# Altium PCB IOBoard2020.PcbDoc (part 1 of 2)
Units mil, origin at the board's own origin, x right, y up, seen from the top; angles counter-clockwise.
Board outline 3010.03 x 3010.03 mil, 4 copper layers (Top Layer, Int1 (PWR), Int2 (GND), Bottom Layer), stack 53.912 mil thick; 153 components, 123 nets, 584 pads, 58 vias.
Unrouted connection lines stored in the file: 328.
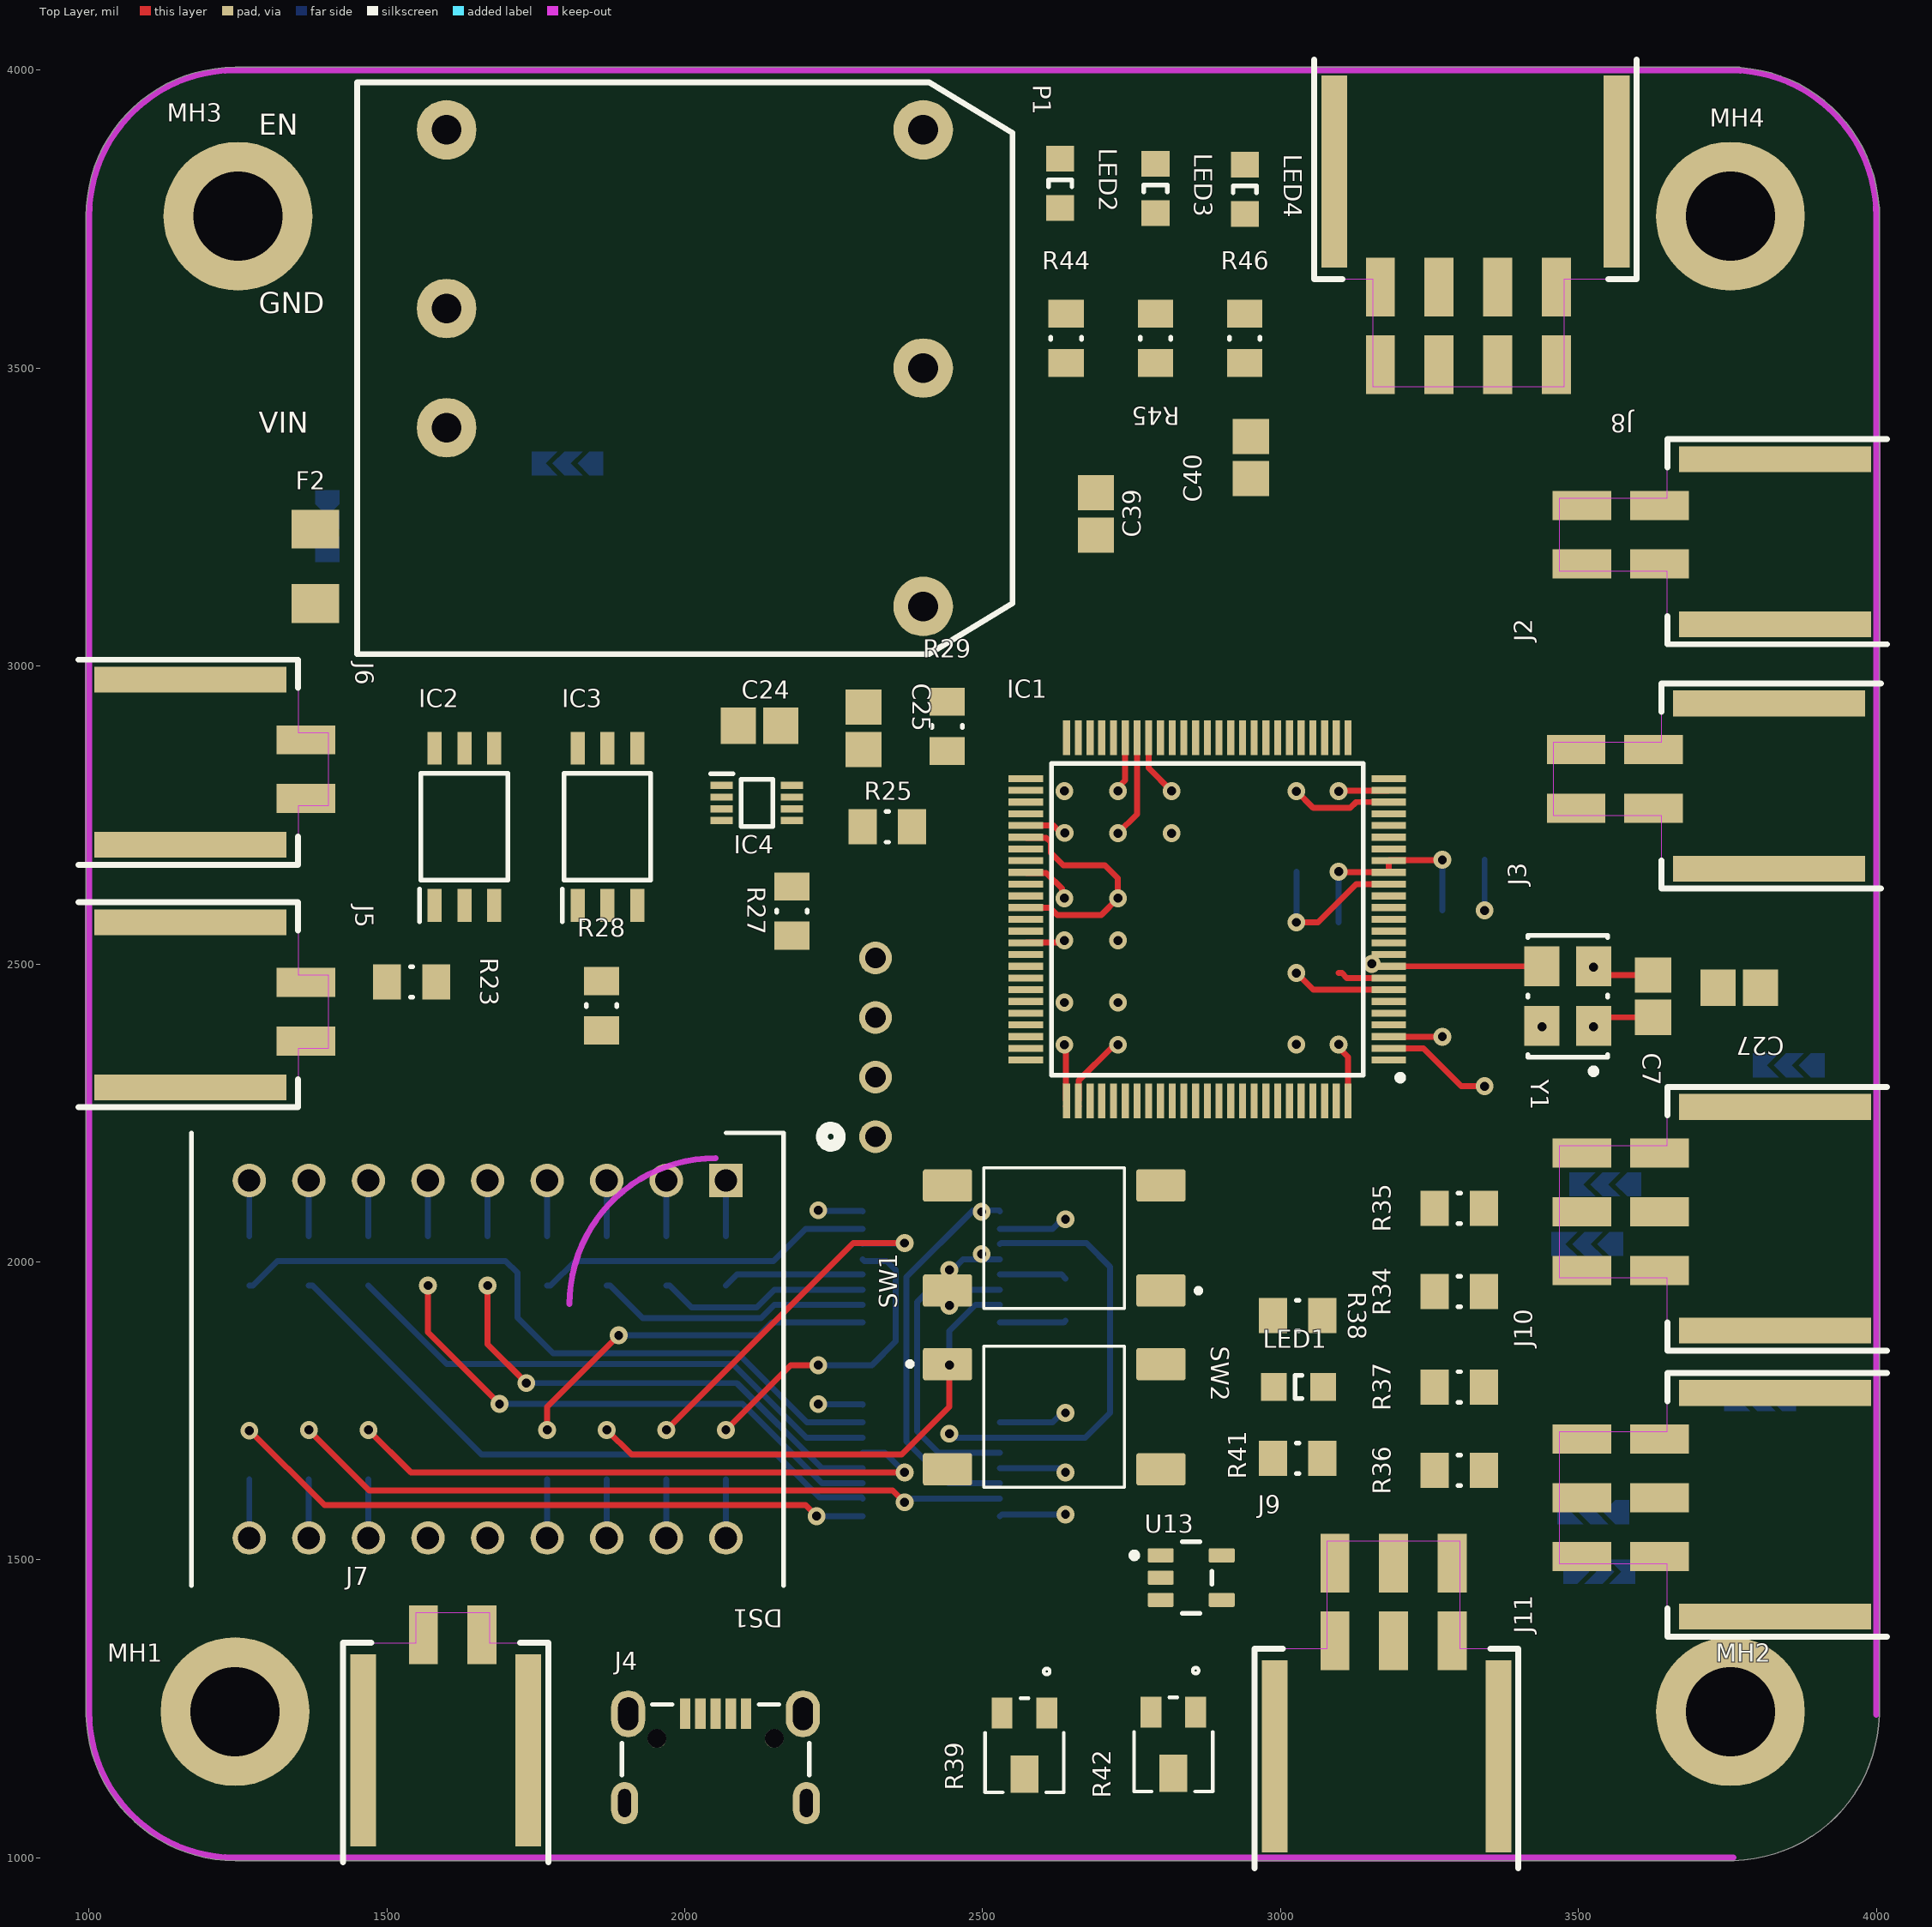
[diagram p0: Top Layer view]
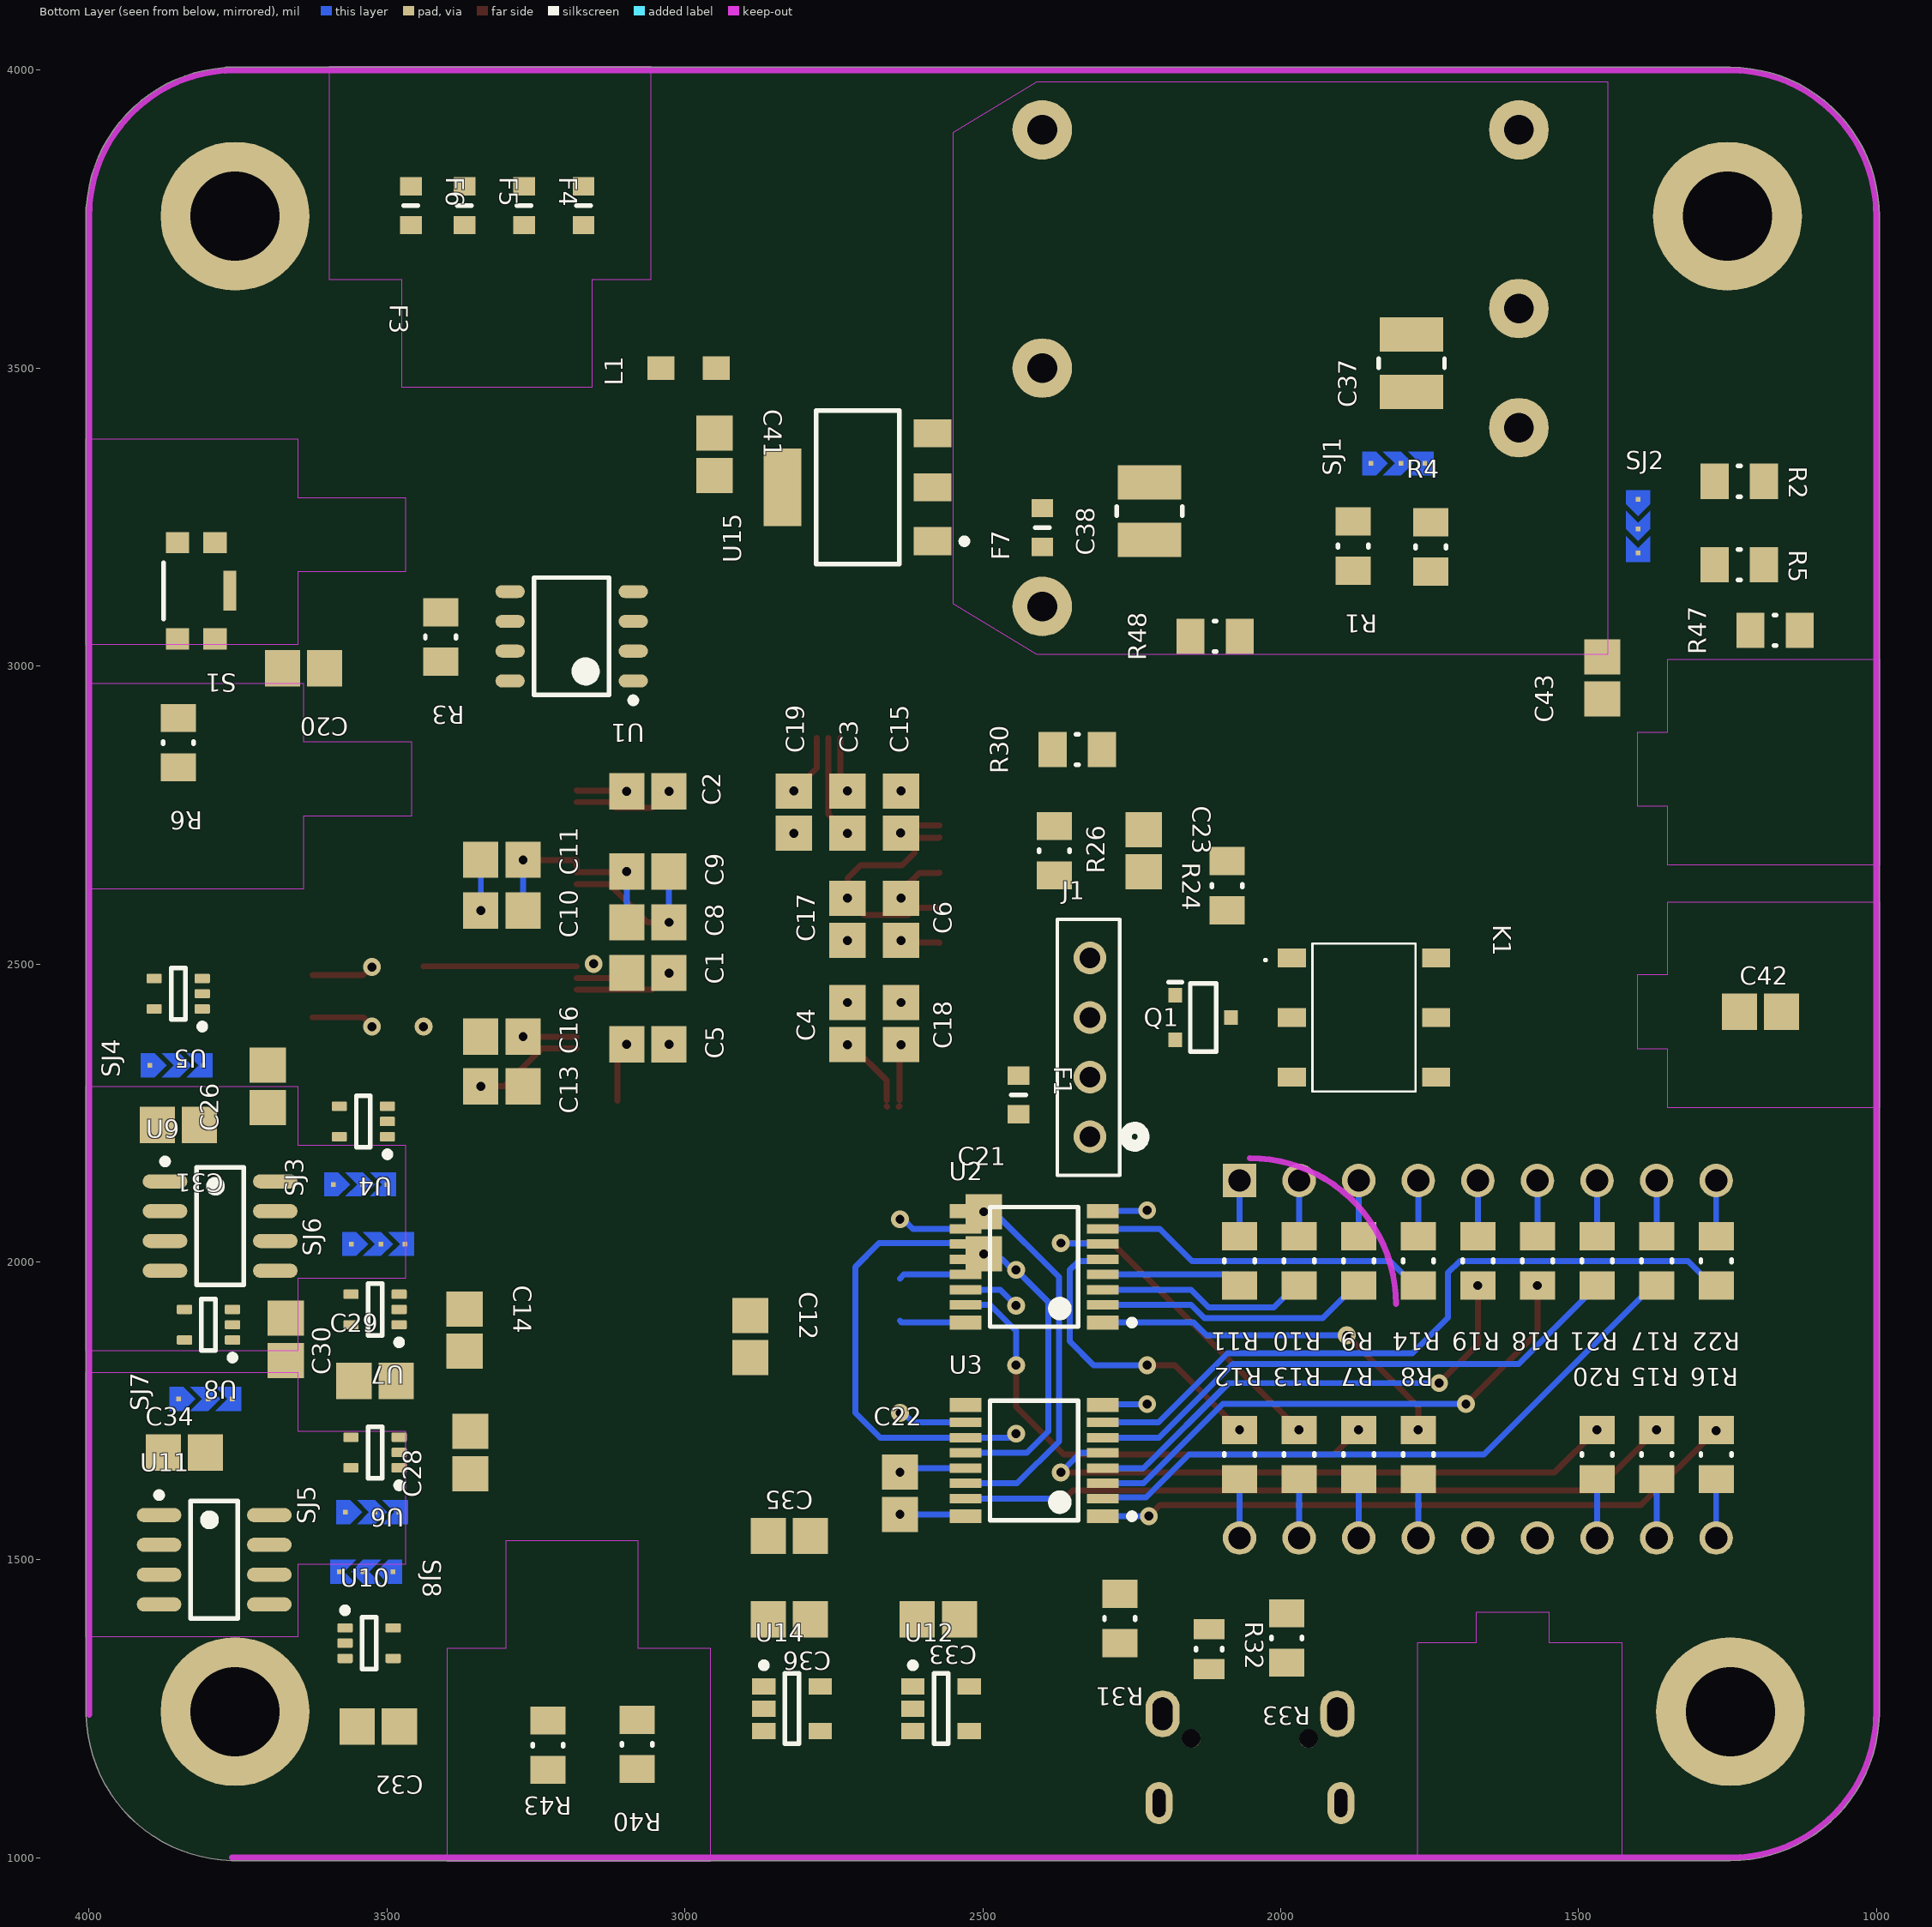
[diagram p1: Bottom Layer view, seen from below]
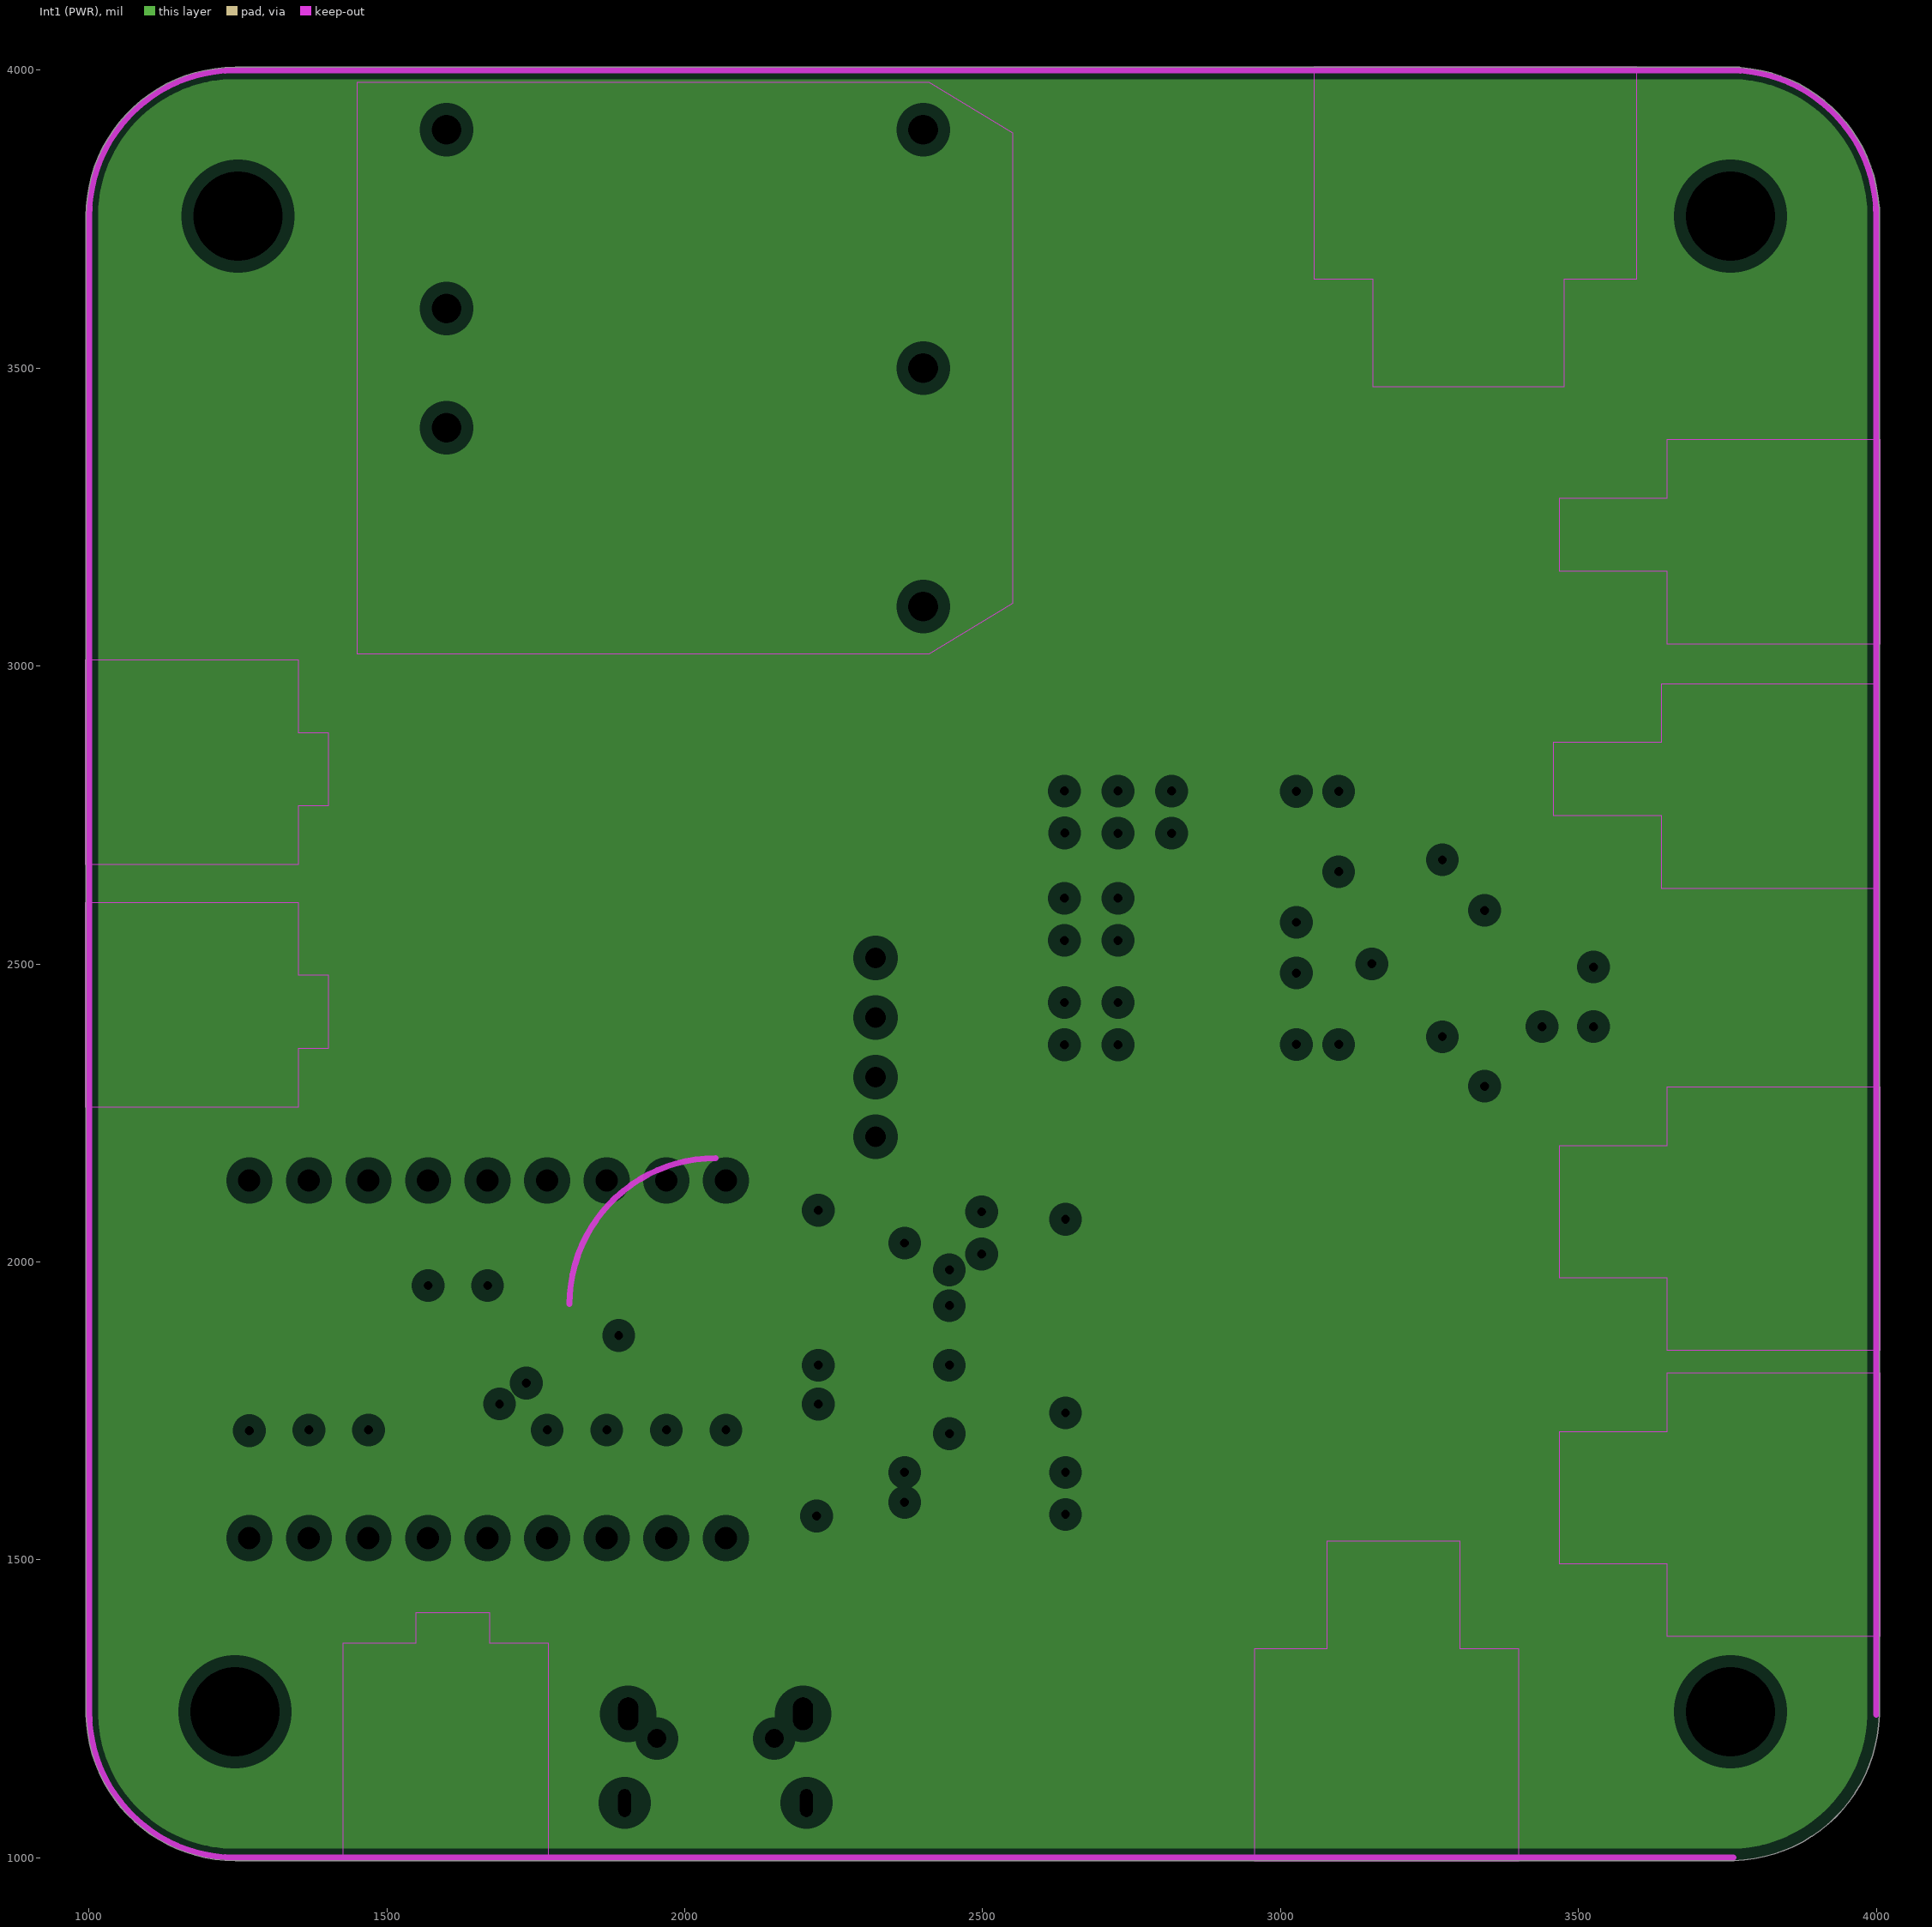
[diagram p2: Int1 (PWR), clearances drawn from the general rule]